# Altium PCB CarACESP32.PcbDoc
Units mm, origin at the board's own origin, x right, y up, seen from the top; angles counter-clockwise.
Board outline 100 x 70 mm, 2 copper layers (Top Layer, Bottom Layer); 65 components, 49 nets, 237 pads, 16 vias.
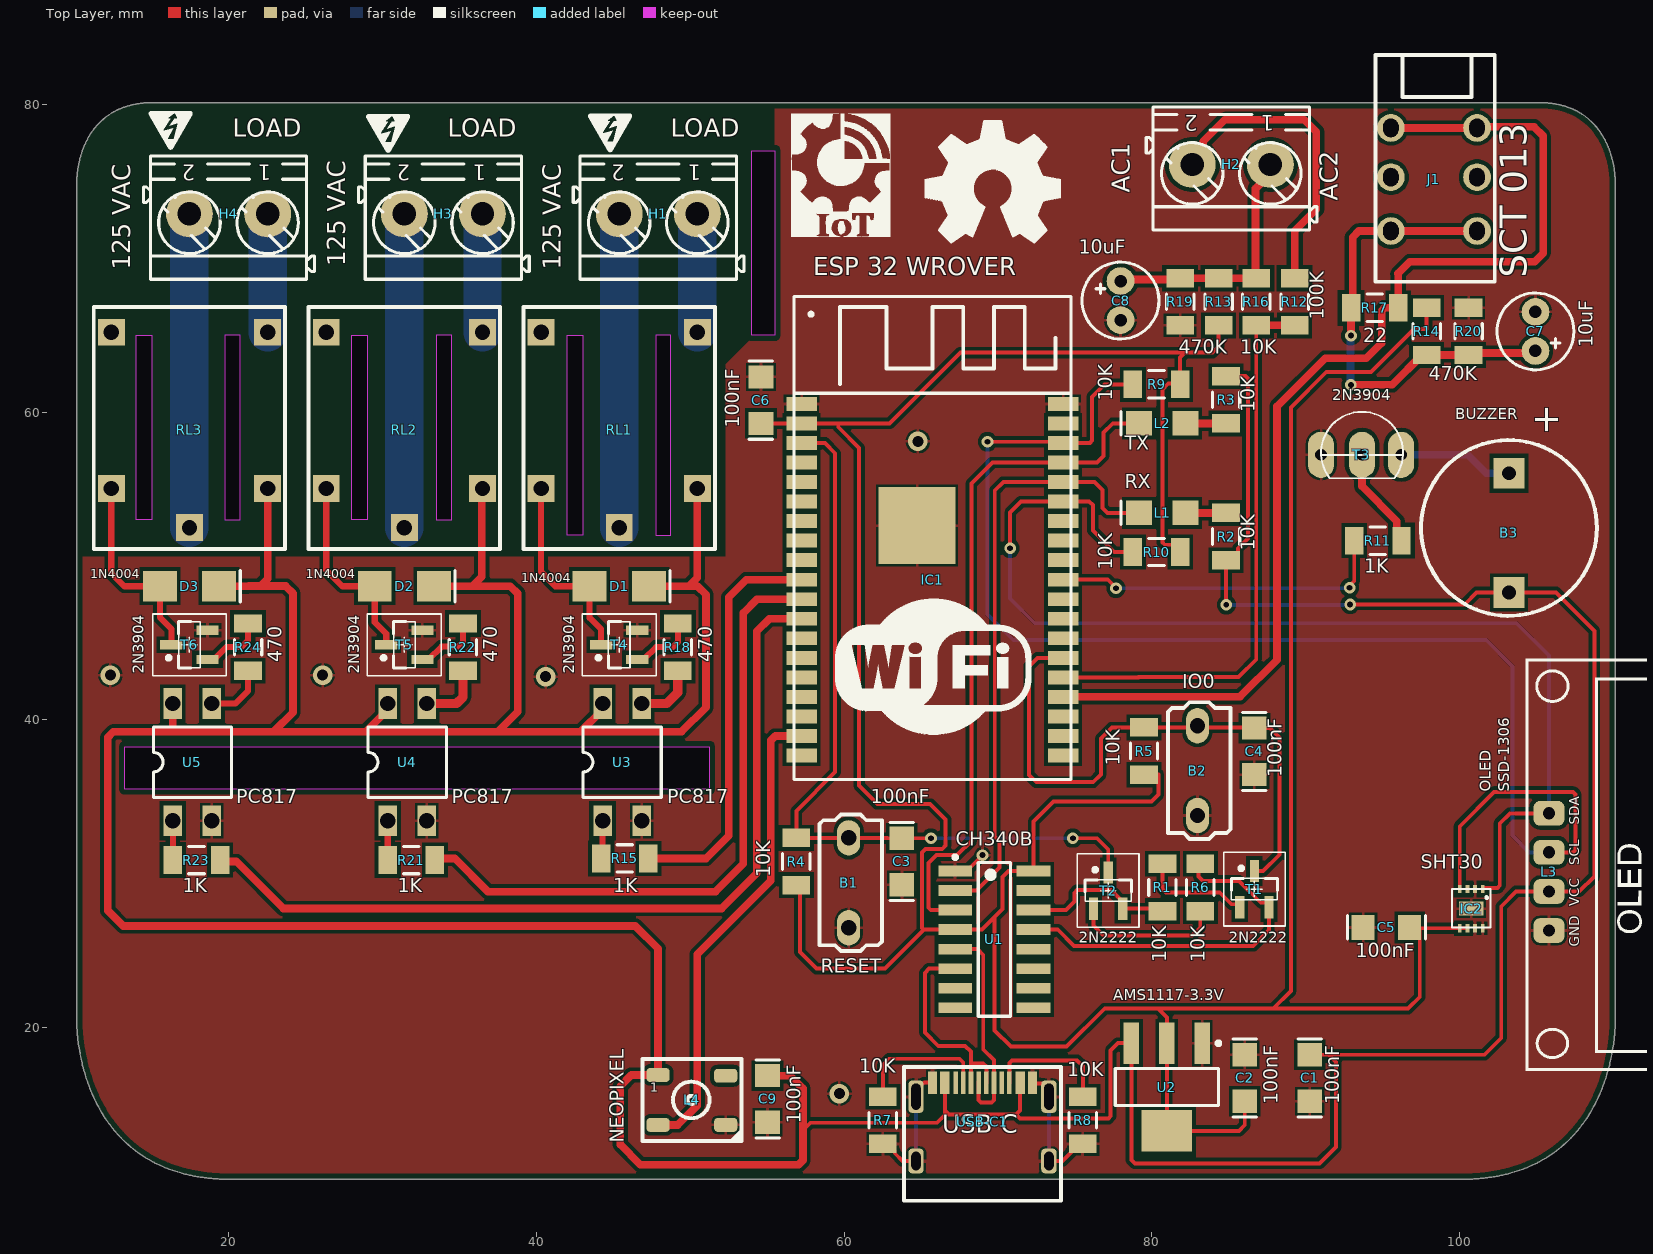
[diagram p0: Top Layer view]
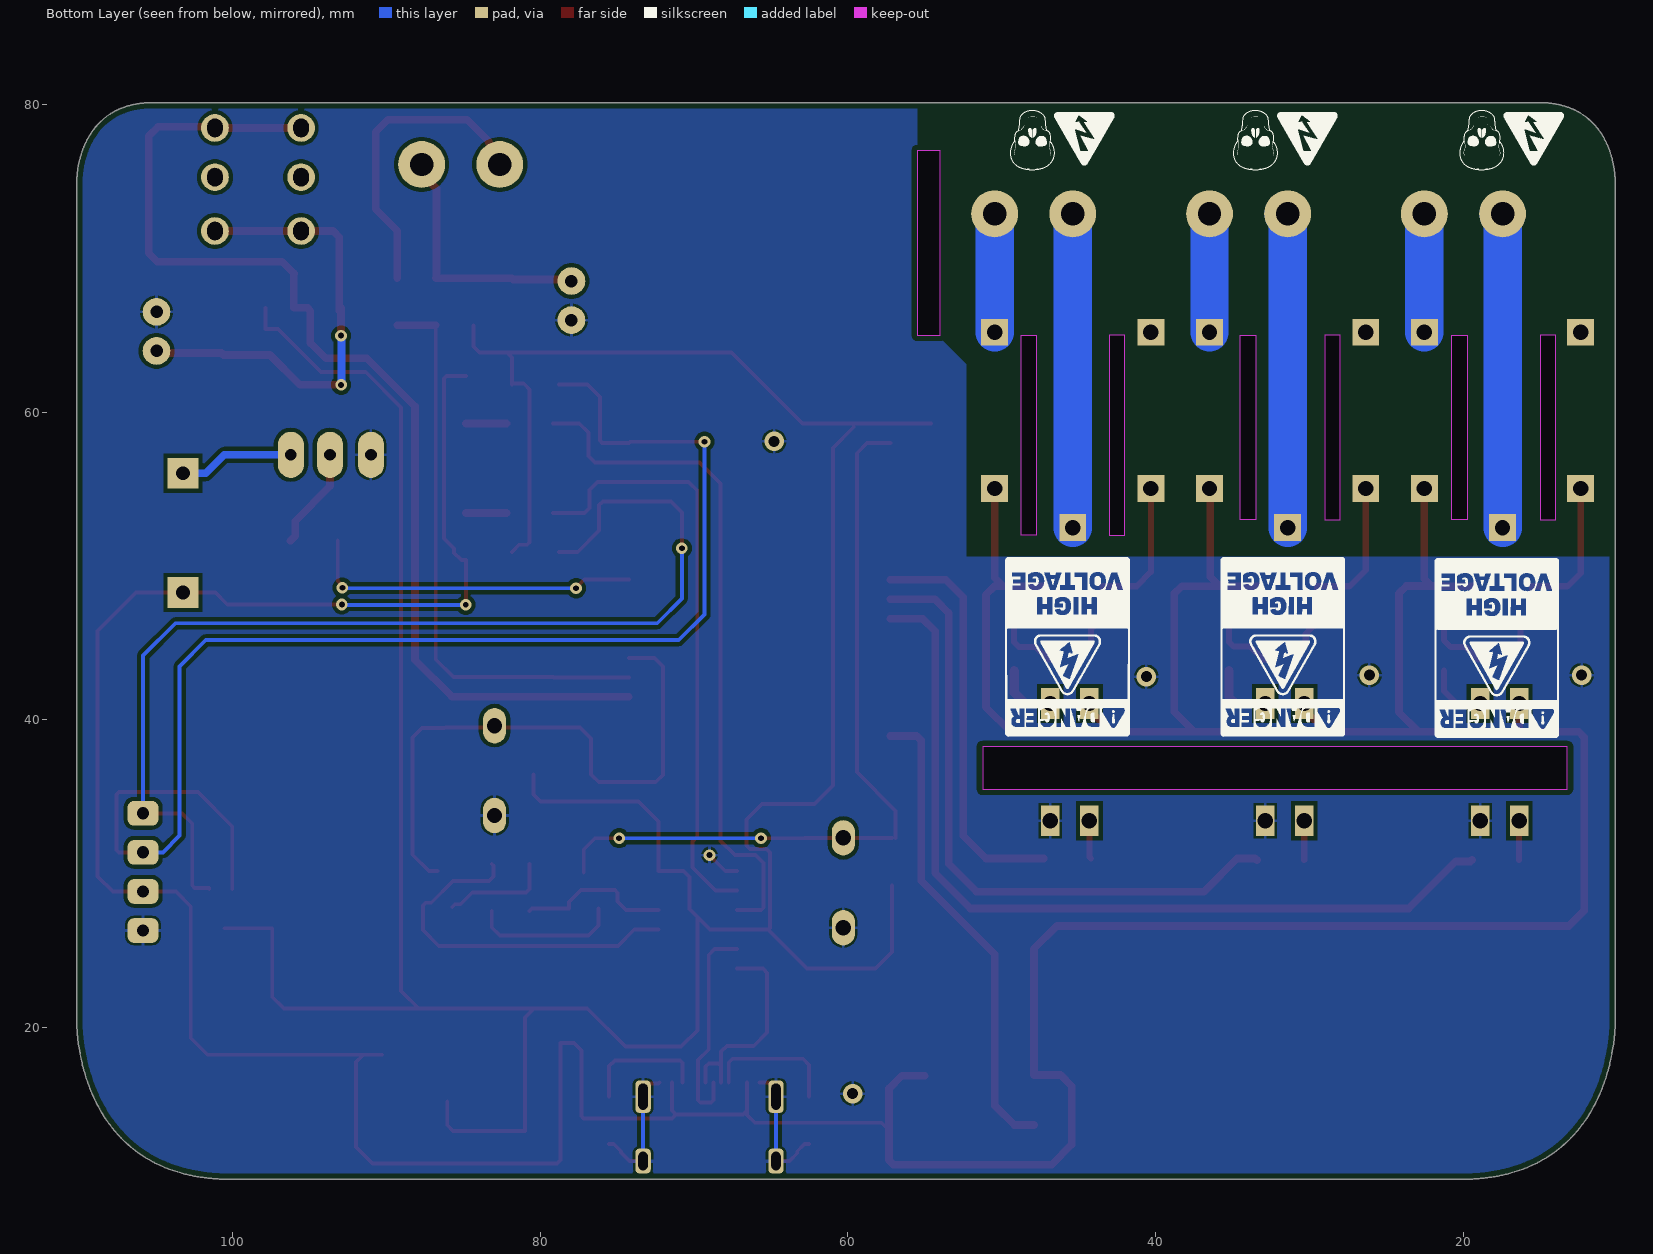
[diagram p1: Bottom Layer view, seen from below]
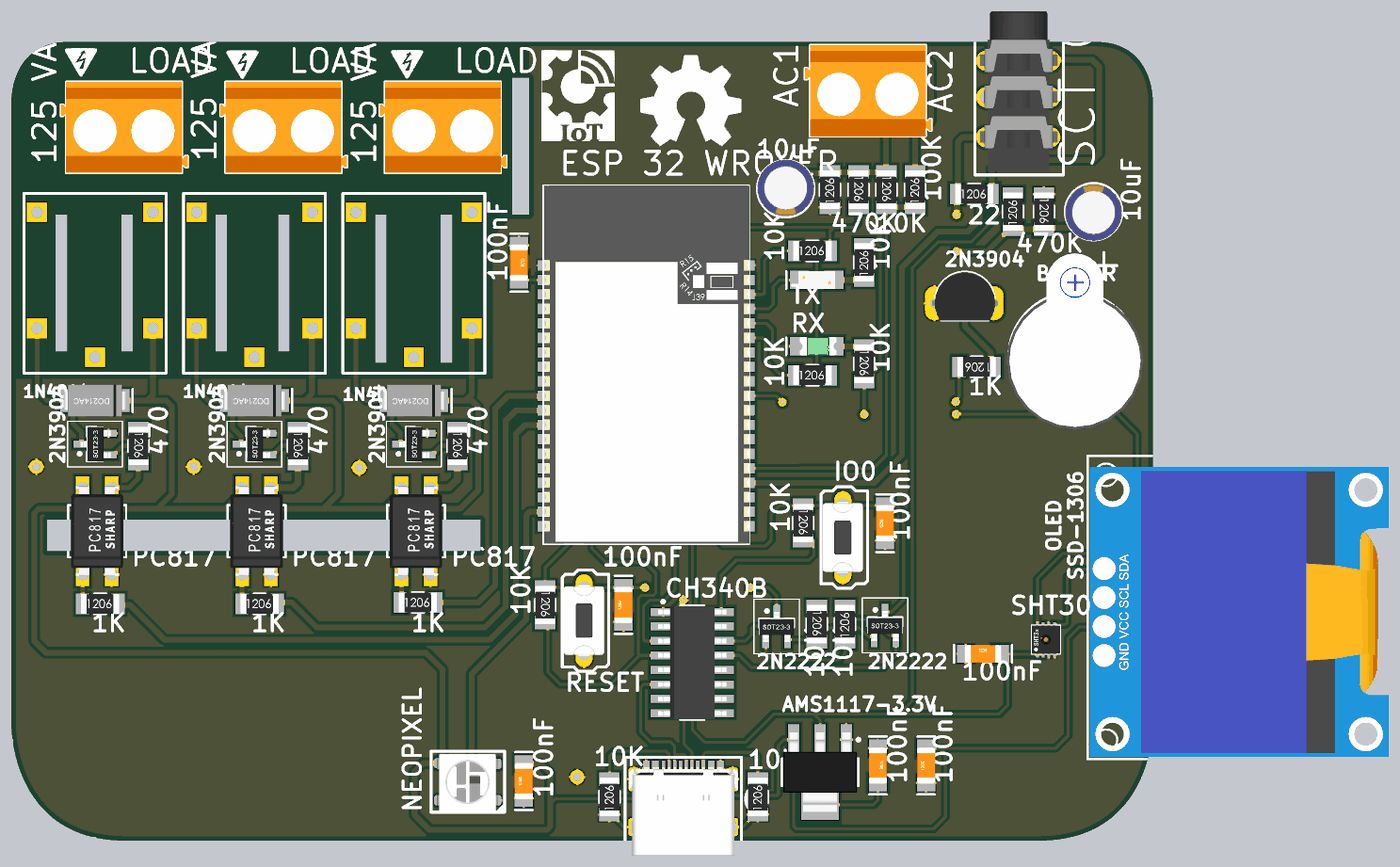
[diagram p2: 3D render of the assembled board from above, using the file's embedded part models]

## Layer stack, top to bottom
Top Solder: solder mask 0.0102, Solder Resist, Dk 3.5
Top Layer: signal copper 0.0356
Dielectric 1: dielectric 0.32, FR-4, Dk 4.8
Bottom Layer: signal copper 0.0356
Bottom Solder: solder mask 0.0102, Solder Resist, Dk 3.5

## Board outline
851 vertices, not listed, extent 10.127,10.127 110.127,80.127
cut-out: 54,65 54,77 55.5,77 55.5,65
cut-out: 51.25,35.5 13.25,35.5 13.25,38.25 51.25,38.25
cut-out: 15,53 14,53 14,65 15,65
cut-out: 19.75,53 20.75,53 20.75,65 19.75,65
cut-out: 33.5,53 34.5,53 34.5,65 33.5,65
cut-out: 29,53 28,53 28,65 29,65
cut-out: 47.75,52 48.75,52 48.75,65 47.75,65
cut-out: 43,52 42,52 42,65 43,65

## Design rules (kind name [scope] priority, off if disabled: settings)
BoardOutlineClearance [All] p1: gap=0.381 ignorepadtopadclearanceinfootprint=FALSE
Clearance Poligono [InPolygon] p1: gap=0.254 ignorepadtopadclearanceinfootprint=FALSE
Clearance [All] p2: gap=0.152 ignorepadtopadclearanceinfootprint=FALSE except(0: Arc-Hole Track-Hole SMDPad-Hole THPad-Hole Via-Hole Fill-Hole Poly-Hole Region-Hole Text-Hole)
ComponentClearance [All] p1: gap=0.025 collisioncheckmode=3 verticalgap=0.025 showdistances=FALSE
DiffPairsRouting [All] p1: maxlimit=10 minlimit=0.152 mostfreqgap=0.203 toplayer_minwidth=0.152 toplayer_maxwidth=0.381 toplayer_prefwidth=0.203 bottomlayer_minwidth=0.152 bottomlayer_maxwidth=0.381 bottomlayer_prefwidth=0.203 maxuncoupledlength=12.7
HoleSize [All] p1: absolutevalues=TRUE maxlimit=6.731 minlimit=0.33 maxpercent=80.000 minpercent=20.000
HoleToHoleClearance [All] p1: gap=0.254 allowstackedmicrovias=FALSE
MinimumAnnularRing [All] p1: minimumring=0.178
MinimumSolderMaskSliver [All] p1: minsoldermaskwidth=0
PlaneClearance [All] p1: clearance=0.254
PlaneConnect [All] p1: planeconnectstyle=Direct reliefexpansion=0.406 reliefentries=4 reliefconductorwidth=0.152 reliefairgap=0.152
PolygonConnect [All] p1: connectstyle=Relief reliefconductorwidth=0.203 reliefentries=4 polygonreliefangle="90 Angle" airgapwidth=0.152
RoutingCorners [All] p1: cornerstyle=45-Degree minsetback=1.25 maxsetback=1.25
RoutingVias [All] p1: holewidth=0.381 width=0.762 viastyle="Through Hole" minholewidth=0.33 minwidth=0.686 maxholewidth=2.54 maxwidth=2.896
SilkToSilkClearance [All] p1: silktosilkclearance=0
SilkToSolderMaskClearance [IsPad] p1: minsilkscreentomaskgap=0.152 clearancetoexposedcopper=TRUE
SolderMaskExpansion [All] p1: expansion=0.075 istentingtop=FALSE
Width [All] p1: maxlimit=10.16 minlimit=0.152 preferedwidth=0.203
20 further rules are at their usual default settings.

## Classes and differential pairs
component class CarACESP32: B1 B2 B3 C1 C2 C3 C4 C5 C6 IC1 IC2 L1 L2 L3 R1 R2 R3 R4 R5 R6 R7 R8 R9 R10 R11 T1 T2 T3 U1 U2 USB-C1
component class CarACESP32_2: C7 C8 C9 D1 D2 D3 H1 H2 H3 H4 J1 L4 R12 R13 R14 R15 R16 R17 R18 R19 R20 R21 R22 R23 R24 RL1 RL2 RL3 T4 T5 T6 U3 U4 U5

## Components (designator, comment, footprint, x,y, rotation, side; value= is the part's Value field where it differs from the comment)
B1 "Boton" "Push Boton 2P C" 60.3,26.483 r90 top
B2 "Boton" "Push Boton 2P C" 82.975,33.775 r90 top
B3 "Buzzer" Buzzer 103.225,48.405 r90 top
C1 "100nF" "Capacitor 1206" 90.277,15.062 r90 top
C2 "100nF" "Capacitor 1206" 86.052,18.364 r270 top
C3 "100nF" "Capacitor 1206" 63.75,29.137 r90 top
C4 "100nF" "Capacitor 1206" 86.675,36.291 r90 top
C5 "100nF" "Capacitor 1206" 93.611,26.5 r0 top
C6 "100nF" "Capacitor 1206" 54.6,62.431 r270 top
C7 "10uF" 100uF 104.95,63.978 r90 top
C8 "10uF" 100uF 77.975,68.525 r270 top
C9 "100nF" "Capacitor 1206" 55.027,13.698 r90 top
D1 "1N4004" "1N4007 SMD" 45.385,48.686 r180 top
D2 "1N4004" "1N4007 SMD" 31.415,48.686 r180 top
D3 "1N4004" "1N4007 SMD" 17.445,48.686 r180 top
H1 "T-Block" TBLOCK-2ORANGE 47.925,72.891 r180 top
H2 "T-Block" TBLOCK-2ORANGE 85.175,76.1 r180 top
H3 "T-Block" TBLOCK-2ORANGE 33.955,72.891 r180 top
H4 "T-Block" TBLOCK-2ORANGE 19.985,72.891 r180 top
IC1 "ESP32-WRover" ESP32-WROVER-B 65.747,51.828 r0 top
IC2 "SHT3X" DFN-8_DD 101.525,29 r180 top
J1 "PJ-3136" PJ-3136-X 95.55,78.475 r270 top
L1 "LED 1206" "LED 1206 G" 82.205,53.448 r180 top
L2 "LED 1206" "LED 1206 R" 82.078,59.268 r180 top
L3 "SSD 1306" OLEDSSD1306 105.825,28.84 r90 top
L4 "NEOPIXEL-WS2812B" WS2812B 47.807,13.661 r0 top
R1 "10K" "Resistencia 1206" 80.7,29.1 r270 top
R2 "10K" "Resistencia 1206" 84.836,51.913 r270 top
R3 "10K" "Resistencia 1206" 84.836,60.803 r90 top
R4 "10K" "Resistencia 1206" 56.9,30.786 r270 top
R5 "10K" "Resistencia 1206" 79.5,37.965 r270 top
R6 "10K" "Resistencia 1206" 83.158,29.1 r90 top
R7 "5.1K" "Resistencia 1206" 62.523,13.961 r90 top
R8 "5.1K" "Resistencia 1206" 75.527,13.961 r90 top
R9 "10K" "Resistencia 1206" 80.315,61.808 r0 top
R10 "10K" "Resistencia 1206" 80.315,50.908 r0 top
R11 "1K" "Resistencia 1206" 94.705,51.648 r180 top
R12 "100K" "Resistencia 1206" 89.3,67.175 r90 top
R13 "470K" "Resistencia 1206" 84.35,67.175 r270 top
R14 "470K" "Resistencia 1206" 97.875,65.25 r90 top
R15 "470" "Resistencia 1206" 45.745,30.988 r0 top
R16 "10K" "Resistencia 1206" 86.8,67.175 r270 top
R17 "22" "Resistencia 1206" 94.497,66.785 r0 top
R18 "470" "Resistencia 1206" 49.195,44.724 r270 top
R19 "470K" "Resistencia 1206" 81.85,67.175 r90 top
R20 "470K" "Resistencia 1206" 100.6,65.25 r270 top
R21 "470" "Resistencia 1206" 31.87,30.879 r0 top
R22 "470" "Resistencia 1206" 35.225,44.724 r270 top
R23 "470" "Resistencia 1206" 17.9,30.879 r0 top
R24 "470" "Resistencia 1206" 21.255,44.724 r270 top
RL1 "Relevador" "Relevador Mini 20A" 50.465,55.036 r90 top
RL2 "Relevador" "Relevador Mini 20A" 36.495,55.036 r90 top
RL3 "Relevador" "Relevador Mini 20A" 22.525,55.036 r90 top
T1 "MMTB2N2222" SOT23_M 86.675,28.995 r0 top
T2 "MMTB2N2222" SOT23_M 77.175,28.898 r0 top
T3 "2N3904" NewTO-92A 93.675,57.225 r270 top
T4 "2N3904" SOT23_M 45.385,44.876 r90 top
T5 "2N3904" SOT23_M 31.415,44.876 r90 top
T6 "2N3904" SOT23_M 17.445,44.876 r90 top
U1 "CH340B" "SOIC 16" 69.775,25.725 r0 top
U2 "AMS1117-3.3V" "SOT 223" 80.983,16.125 r270 top
U3 "PC817" PC817 44.305,33.437 r90 top
U4 "PC817" PC817 30.335,33.437 r90 top
U5 "PC817" PC817 16.365,33.437 r90 top
USB-C1 "USB TYPEC C 16PINS" USB-TYPE_C-16 68.996,16.43 r0 top

## Footprints (in the part's own frame and the unit in brackets; to place one, negate y for a bottom-side part, rotate by r counter-clockwise, add the part's x,y. Pads: shape width x height; smd on the part's side, far side on the other; paste and mask are expansions set on the pad)
"1N4007 SMD" [mm]
  rect 2.2x2 smd: 1(1.925,0) 2(-1.925,0)
  silkscreen extent -3.3,-1.02 -3.3,1.02, body extent -2.74,-1.4 2.74,1.4, height 2.34
100uF [mm]
  round 1.8 hole 0.813: 1(0,0) 2(2.54,0)
  silkscreen extent -1.23,-2.5 3.77,2.5, body extent -1.3,-2.5 3.7,2.5, height 11.5
Buzzer [mm] "Buzzer 5V"
  rect 2x2 hole 0.9: 1(7.62,0) 2(-0.127,0)
  silkscreen extent -1.65,-5.71 9.78,5.71, body extent -2.27,-6.1 13.19,5.9, height 10.65
"Capacitor 1206" [mm] "Capacitor Ceramico 1206"
  rect 1.5x1.6 smd: 1(0.139,0) 2(3.163,0)
  silkscreen extent -0.89,-0.76 4.19,0.76, body extent 0.05,-0.8 3.25,0.8, height 1
DFN-8_DD [mm]
  rect 0.25x0.55 smd: 1(0,0) 2(0.5,0) 3(1,0) 4(1.5,0) 5(1.5,2.55) 6(1,2.55) 7(0.5,2.55) 8(0,2.55)
  rect 1.6x0.9 smd: 9(0.75,1.275)
  silkscreen extent -0.5,0 2,2.5, body extent -0.5,0 2,2.52, height 0.9
ESP32-WROVER-B [mm]
  rect 2x0.9 smd: 1(-8.5,8.71) 2(-8.5,7.44) 3(-8.5,6.17) 4(-8.5,4.9) 5(-8.5,3.63) 6(-8.5,2.36) 7(-8.5,1.09) 8(-8.5,-0.18) 9(-8.5,-1.45) 10(-8.5,-2.72) 11(-8.5,-3.99) 12(-8.5,-5.26) 13(-8.5,-6.53) 14(-8.5,-7.8) 15(-8.5,-9.07) 16(-8.5,-10.34) 17(-8.5,-11.61) 18(-8.5,-12.88) 19(-8.5,-14.15) 20(8.5,-14.15) 21(8.5,-12.88) 22(8.5,-11.61) 23(8.5,-10.34) 24(8.5,-9.07) 25(8.5,-7.8) 26(8.5,-6.53) 27(8.5,-5.26) 28(8.5,-3.99) 29(8.5,-2.72) 30(8.5,-1.45) 31(8.5,-0.18) 32(8.5,1.09) 33(8.5,2.36) 34(8.5,3.63) 35(8.5,4.9) 36(8.5,6.17) 37(8.5,7.44) 38(8.5,8.71)
  rect 5x5 smd: 39(-1,0.79)
  silkscreen extent -9,-15.7 9,15.7, body extent -8.95,-15.69 9.05,15.71, height 3.3
"LED 1206 G" [mm] "Led SMD 1206"
  rect 1.7x1.6 smd: 1(0.012,0) 2(3.036,0)
  silkscreen extent 4.19,-0.76 4.19,0.76, body extent -0.2,-0.8 3,0.8, height 1.1
"LED 1206 R" [mm]
  rect 1.7x1.6 smd: 1(-0.115,0) 2(2.909,0)
  silkscreen extent 4.06,-0.76 4.06,0.76, body extent -0.2,-0.79 3,0.81, height 1.11
NewTO-92A [mm]
  oval 3x1.7 hole 0.762: 1(0,-2.664) 2(0,0) 3(0,2.54)
  silkscreen extent -2.79,-2.66 1.52,2.66, body extent -2.66,-2.89 1.53,2.85, height 13.33
OLEDSSD1306 [mm]
  rrect50% 1.6x2 hole 0.8: 1(-2.54,0) 2(0,0) 3(2.54,0) 4(5.08,0)
  silkscreen extent -11.66,-25.27 15.11,1.5, body extent -11.38,-24.98 14.02,1.22, height 6.3
PC817 [mm] "OPTOACOPLADOR"
  rect 2x1.2 hole 1: 1(0,0) 2(0,-2.54) 3(7.62,-2.54) 4(7.62,0)
  silkscreen extent 1.52,-3.81 6.1,1.27, body extent -0.13,-3.57 7.75,1.03, height 4.5
PJ-3136-X [mm] "PJ-3136-X"
  round 1.8 hole 1 slot 1.2 at 0 deg: 1(0,5.6) 1(0,0) 2(3.2,5.6) 2(3.2,0) 3(6.7,5.6) 3(6.7,0)
  silkscreen extent -4.75,-1 10,6.75, body extent -4.33,-0.59 9.67,6.22, height 7.51
"Push Boton 2P C" [mm] "Push Boton TH 6x4 2 pines cortos"
  oval 2.3x1.5 hole 1: 1(0,0) 2(5.842,0)
  silkscreen extent -1.52,-2.16 7.37,1.91, body extent -0.96,-1.75 6.8,1.75, height 5.3
"Relevador Mini 20A" [mm] "Relevador Mini 20A"
  rect 1.75x1.75 hole 1: 1(0,0) 2(0,10.16) 3(-2.54,5.08) 4(10.16,0) 5(10.16,10.16)
  silkscreen extent -3.94,-1.14 11.81,11.3, body extent -3.94,-1.27 11.68,11.43, height 15
"Resistencia 1206" [mm] "Resistencia 1206 SMD"
  rect 1.2x1.8 smd: 1(-1.535,0) 2(1.535,0)
  silkscreen extent -0.51,-0.89 0.51,0.89, body extent -1.67,-0.86 1.68,0.87, height 0.85
"SOIC 16" [mm] "SOIC 16P 1.27mm"
  rect 2.2x0.7 smd: 1(-2.55,4.445) 2(-2.55,3.175) 3(-2.55,1.905) 4(-2.55,0.635) 5(-2.55,-0.635) 6(-2.55,-1.905) 7(-2.55,-3.175) 8(-2.55,-4.445) 9(2.55,-4.445) 10(2.55,-3.175) 11(2.55,-1.905) 12(2.55,-0.635) 13(2.55,0.635) 14(2.55,1.905) 15(2.55,3.175) 16(2.55,4.445)
  silkscreen extent -2.67,-5 1.05,5.47, body extent -3,-4.95 3,4.95, height 1.4
SOT23_M [mm] "SOT23, 3-Leads, Body 2.9x1.3mm, Pitch 0.95mm, Lead Span 2.3mm - Reverse Pinning, IPC Low Density"
  rect 0.6x1.45 smd: 1(-0.95,-1.175) 2(0.95,-1.175) 3(0,1.175)
  silkscreen extent -2,-2.4 2,2.4, body extent -1.52,-1.37 1.52,1.27, height 0.94
"SOT 223" [mm] "SOT223, 4-Leads, Body 6.50x7.10mm (avg), Pitch 2.30mm, IPC Medium Density"
  rect 2.7x1 smd: 1(-2.85,2.3) 2(-2.85,0) 3(-2.85,-2.3)
  rect 2.7x3.3 smd: 2(2.85,0)
  silkscreen extent -2.97,-3.35 1.2,3.48, body extent -3.48,-3.25 3.48,3.25, height 1.65
TBLOCK-2ORANGE [mil] "Terminal Block, 24A 600V, Pitch 5.08mm, 2 Positions, Screw Connection"
  round 120 hole 60: 1(-100,0) 2(100,0)
  silkscreen extent -220,-148 218,167, body extent -220,-148 218,167, height 394
USB-TYPE_C-16 [mm]
  rect 0.6x1.45 smd: A1(-3.246,-0.019) A4(-2.446,-0.019) A9(2.454,-0.019) A12(3.254,-0.019) B1(3.254,-0.019) B4(2.454,-0.019) B9(-2.446,-0.019) B12(-3.246,-0.019)
  rect 0.3x1.45 smd: A5(-1.246,-0.019) A6(-0.246,-0.019) A7(0.254,-0.019) A8(1.254,-0.019) B5(1.754,-0.019) B6(0.754,-0.019) B7(-0.746,-0.019) B8(-1.746,-0.019)
  rrect50% 1x1.6 hole 0.6 slot 1.2 at 90 deg: S1(-4.316,-5.114) S1(4.324,-5.114)
  rrect50% 1x2.1 hole 0.6 slot 1.7 at 90 deg: S1(-4.316,-0.934) S1(4.324,-0.934)
  silkscreen extent -5.1,-7.7 5.1,1, body extent -4.78,-7.56 4.8,0.14, height 3.25
WS2812B [mm]
  rrect50% 1.5x0.9 smd: 1(0.1,3.25) 2(0.1,0) 3(4.5,0) 4(4.5,3.2)
  silkscreen extent -0.91,-1.04 5.54,4.29, body extent -0.39,-0.87 4.96,4.07, height 1.7

## Part data
B1 B2: library part "Push Boton 2 Pin TH", "Micro Push TH"
B3: "Active Sound"
C1 C2 C3 C4 C5 C6 C9: library part "Capacitor 1206", "Capacitor cerámico 1206 SMD"
C7 C8: library part CAP-ELEC-100uF
D1 D2 D3: library part "1N4007 SMD", "Diodo Rectificador"
H1 H2 H3 H4: library part "T-Block 5.08mm 2P", "Terminal de Bloque 2P 5.08mm"
IC1: "ESP32-WRover 39Pins"
J1: library part "JACK HEMBRA 3.5MM", "PJ-3136 Jack De Audio Hembra"
L1 L2: "LED SMD 1206"
L3: "Pantalla OLED 124x64"
L4: "LED NEOPIXEL WS2812B"
R1 R2 R3 R4 R5 R6 R7 R8 R9 R10 R11 R12 R13 R14 R15 R16 R17 R18 R19 R20 R21 R22 R23 R24: library part "Resistencia SMD 1206", "Resistencia SMD 1206"
RL1 RL2 RL3: library part "Relevador S 5V 20A", "Relevador Mini"
T1 T2: library part MMBT2N2222A
T4 T5 T6: library part MMBT2N3904
U1: "USB-Serial Converter"
U2: library part AMS1117, "Regulador Lineal de Voltaje"
U3 U4 U5: "Optoacoplador NPN"
USB-C1: "USB Type C 16 Pins"

## Via types
v1: diameter 0.762, hole 0.381, Top Layer to Bottom Layer, 11 vias
v2: diameter 1.27, hole 0.711, Top Layer to Bottom Layer, 5 vias

## Nets (pads, with @x,y where several pads share a name; then routed paths per layer and width w, separated by ;. In a path a pad name is that pad's centre, name@x,y a point inside that pad or via, vN(x,y) a via of type N, cw(c..) or ccw(c..) an arc to the next point about the centre after c; other vN are vias at no path point)
+3.3V: C2.2 C5.2 C6.2 IC1.2 IC2.5 IC2.6 R4.2 R5.2 R9.2 R10.2 R13.2 R14.2 U1.4 U1.16 U2.2 | length 235.6
  Top Layer w0.254: C6.2 IC1.2 59.625,59.268 ; R4.2@57.125,29.233 57.125,24.9 58.2,23.825 62.65,23.825 65.185,26.36 ; 80.43,36.43 80.43,35.13 80,34.7 73.625,34.7 72.325,33.4 U1.16 70.695,30.17 70.3,29.775 70.3,27.7 69.788,27.187 ; R10.2 81.381,51.376 80.849,51.376 80.7,51.525 80.7,61.475 81.075,61.85 81.808,61.85 R9.2 81.85,63.55 82.175,63.875 ; R13.2 84.35,64.275 83.95,63.875 82.175,63.875 ; C2.2 86.052,13.649 85.678,13.275 80.983,13.275 80.983,20.658 80.416,21.225 ; R14.2 97.875,65.4 97.05,65.4 94.25,62.6 91.35,62.6 89.05,60.3 89.05,22.375 87.9,21.225 ; IC2.6 IC2.5 97.425,26.45 97.425,21.975 96.675,21.225 87.9,21.225 ; 59.625,59.268 62.968,59.268 67.575,63.875 82.175,63.875 ; 59.625,59.268 59.625,59.025 60.975,57.675 60.975,35.725 62.175,34.525 65.6,34.525 66.6,33.525 66.6,31.825 66.381,31.606 65.306,31.606 65.072,31.373 65.072,26.472 65.185,26.36 ; 65.185,26.36 U1.4 68.96,26.36 69.788,27.187 ; 69.788,27.187 69.788,19.813 70.85,18.75 74.475,18.75 76.95,21.225 80.416,21.225 ; 80.416,21.225 87.9,21.225
+5: B3.2 C1.2 C9.2 D1.2 D2.2 D3.2 L3.2 L4.1 R2.2 R3.2 RL1.1 RL2.1 RL3.1 U2.3 U3.4 U4.4 U5.4 USB-C1.A4 USB-C1.A9 USB-C1.B4 USB-C1.B9 | length 334.8
  Top Layer w0.254: 57.331,13.325 57.812,13.806 66.056,13.806 66.55,14.3 66.55,14.597 ; USB-C1.B9 66.55,14.597 ; USB-C1.B4 71.45,14.597 71.184,14.332 ; R3.2 86.088,62.338 86.25,62.175 86.25,51.791 85.602,51.143 85.602,50.851 85.129,50.378 R2.2 84.836,47.489 v1(84.85,47.475) ; C1.2 91.5,18.225 ; v1(92.9,47.5) 100.35,47.5 101.128,48.278 B3.2 106.272,48.278 108.775,45.775 108.775,29.825 107.79,28.84 L3.2 103.69,28.84 102.725,27.875 102.725,19.325 101.625,18.225 91.5,18.225 ; 66.55,14.597 66.816,14.332 71.184,14.332 ; 71.184,14.332 71.438,14.078 77.182,14.078 77.331,14.226 77.331,18.497 77.809,18.975 U2.3 78.683,11.38 78.906,11.157 90.907,11.157 91.975,12.225 91.975,17.75 91.5,18.225
  Top Layer w0.5: U5.4 16.365,39.515 16.662,39.218 ; D3.2 21.305,48.686 21.311,48.692 22.047,48.692 ; RL3.1 22.525,49.17 22.047,48.692 ; U4.4 30.335,40.657 28.931,39.252 28.931,39.218 ; D2.2 35.834,48.686 ; RL2.1 36.449,54.99 36.449,49.301 35.834,48.686 ; U3.4 44.305,40.657 42.866,39.218 ; D1.2 49.905,48.686 ; RL1.1 50.465,49.246 49.905,48.686 ; C9.2 56.496,16.861 57.331,16.026 57.331,13.696 ; 57.331,13.627 57.331,13.325 57.331,11.366 57.038,11.073 46.764,11.073 45.444,12.394 45.444,16.171 46.184,16.911 L4.1 47.907,25.093 47.92,25.105 46.431,26.594 13.132,26.594 12.125,27.601 12.125,38.846 12.497,39.218 16.662,39.218 ; 16.662,39.218 22.911,39.218 ; 22.047,48.692 23.698,48.692 24.181,48.209 24.181,40.488 22.911,39.218 ; 22.911,39.218 28.931,39.218 ; 28.931,39.218 37.49,39.218 ; 35.834,48.686 38.309,48.686 38.786,48.209 38.786,40.513 37.49,39.218 ; 37.49,39.218 42.866,39.218 ; 42.866,39.218 49.428,39.218 51.029,40.818 51.029,48.133 50.476,48.686 49.905,48.686
  Bottom Layer w0.254: v1(84.85,47.475) 92.875,47.475 v1(92.9,47.5)
BUZZER: IC1.29 R11.2 | length 22.1
  Top Layer w0.254: IC1.29 77.142,49.108 77.675,48.575 v1(77.675,48.55) ; v1(92.869,48.587) 92.869,48.725 93.17,49.026 R11.2
  Bottom Layer w0.254: v1(77.675,48.55) 92.832,48.55 v1(92.869,48.587)
CC1: R7.2 USB-C1.A5 | length 8.9
  Top Layer w0.254: R7.2 62.523,17.557 62.929,17.964 67.501,17.964 67.75,17.715 USB-C1.A5
CC2: R8.2 USB-C1.B5 | length 8.3
  Top Layer w0.254: USB-C1.B5 70.75,17.682 70.93,17.862 75.147,17.862 75.527,17.482 R8.2
D+: U1.5 USB-C1.A6 USB-C1.B6 | length 14
  Top Layer w0.254: U1.5 68.665,25.09 69.05,24.705 69.05,18.575 69.75,17.875 USB-C1.B6 69.75,15.274 69.601,15.125 68.899,15.125 68.75,15.274 USB-C1.A6
D-: U1.6 USB-C1.A7 USB-C1.B7 | length 13.7
  Top Layer w0.254: U1.6 65.52,23.82 65.25,23.55 65.25,19.675 66.125,18.8 67.875,18.8 68.25,18.425 68.25,17.493 ; USB-C1.B7 68.25,17.493 ; USB-C1.A7 69.25,17.46 69.051,17.659 68.416,17.659 68.25,17.493
DTR: R6.2 T1.2 U1.13 | length 24
  Top Layer w0.254: U1.13 73.89,26.36 74.95,25.3 86.6,25.3 87.625,26.325 87.625,27.934 87.452,28.107 87.093,28.107 85.675,29.525 83.325,29.525 83.05,29.8 83.05,30.527 R6.2
EN: B1.2 C3.2 IC1.3 R4.1 T2.3 | length 50.4
  Top Layer w0.254: R4.1 56.9,34.074 59.425,36.599 59.425,57.325 58.752,57.998 IC1.3 ; R4.1@57.125,32.303 60.025,32.303 62.794,32.303 62.797,32.3 63.55,32.3 v1(65.65,32.3) ; v1(74.875,32.3) 76.45,32.3 77.175,31.575 T2.3
  Bottom Layer w0.254: v1(65.65,32.3) v1(74.875,32.3)
GND: B1.1 B2.1 C1.1 C2.1 C3.1 C4.1 C5.1 C6.1 C7.2 C8.2 C9.1 IC1.1 IC1.38 IC1.39 IC2.2 IC2.7 IC2.8 IC2.9 L3.1 L4.3 R7.1 R8.1 R19.1 R20.1 T3.1 T4.2 T5.2 T6.2 U1.1 U2.1 U3.2 U4.2 U5.2 USB-C1.A1 USB-C1.A12 USB-C1.B1 USB-C1.B12 USB-C1.S1 | length 19.4
  Top Layer w0.254: R7.1 62.823,12.426 63.296,11.953 63.296,11.819 63.799,11.316 USB-C1.S1@64.68,11.316 ; USB-C1.S1@64.68,15.496 64.68,15.98 65.044,16.343 65.144,16.343 65.215,16.414 65.747,16.414 USB-C1.B12 ; U1.1 67.975,30.17 69,31.195 v1(69,31.2) ; USB-C1.A12 72.298,16.364 72.708,16.364 72.729,16.343 72.956,16.343 73.32,15.98 USB-C1.S1@73.32,15.496 ; USB-C1.S1@73.32,11.316 74.201,11.316 74.754,11.869 74.754,11.953 75.227,12.426 R8.1
  Bottom Layer w0.254: USB-C1.S1@64.68,11.316 USB-C1.S1@64.68,15.496 ; USB-C1.S1@73.32,11.316 USB-C1.S1@73.32,15.496
  other v2: 59.7,15.7 40.6,42.8 12.3,42.9 26.1,42.9 64.8,58.1
IO0: B2.2 C4.2 IC1.25 R5.1 T1.3 | length 38.8
  Top Layer w0.254: IC1.25 72.578,44.028 72.025,43.475 72.025,36.418 72.493,35.95 76.2,35.95 76.7,36.45 76.7,38.775 77.425,39.5 R5.1 80.43,39.5 83,39.5 86.179,39.5 86.225,39.454 87.704,39.454 88.3,38.858 88.3,31.225 87.245,30.17 T1.3
NetB3_1: B3.1 T3.3 | length 7.5
  Bottom Layer w0.5: T3.3 100.55,57.225 101.75,56.025 B3.1
NetC7_1: C7.1 J1.3 R14.1 R17.1 R20.2 | length 31
  Top Layer w0.5: v1(92.945,61.774) 95.249,61.774 ; v1(92.95,64.975) 92.962,64.987 R17.1 ; R17.1@93.07,66.582 93.07,71.375 93.47,71.775 95.55,71.775 J1.3@101.15,71.775 ; 95.25,61.775 95.635,61.775 97.575,63.715 R14.1 R20.2 100.731,63.846 104.819,63.846 C7.1
  Bottom Layer w0.5: v1(92.945,61.774) 92.925,61.795 92.925,64.95 v1(92.95,64.975)
NetC8_1: C8.1 H2.1 R13.1 R16.1 R19.2 | length 16.8
  Top Layer w0.5: C8.1 78.067,68.617 81.757,68.617 R19.2 R16.1@86.75,68.71 ; H2.1 87.715,75.498 86.75,74.533 R16.1@86.75,68.76 ; R16.1@86.75,68.71 R16.1@86.75,68.76 ; R16.1@86.75,68.71 R16.1 R16.1@86.75,68.76
NetD1_1: D1.1 RL1.2 T4.3 | length 13.1
  Top Layer w0.4: RL1.2 40.305,49.611 41.23,48.686 D1.1 43.46,46.633 44.21,45.883 T4.3
NetD2_1: D2.1 RL2.2 T5.3 | length 13
  Top Layer w0.4: RL2.2 26.34,55.032 26.34,49.733 27.387,48.686 D2.1 29.49,46.343 30.24,45.593 T5.3
NetD3_1: D3.1 RL3.2 T6.3 | length 13.1
  Top Layer w0.4: RL3.2 12.365,49.534 13.214,48.686 D3.1 15.52,46.659 16.27,45.909 T6.3
NetH1_1: H1.1 RL1.4 | length 7.7
  Bottom Layer w2.5: RL1.4 H1.1
NetH1_2: H1.2 RL1.3 | length 20.4
  Bottom Layer w2.5: RL1.3 H1.2
NetH2_2: H2.2 R12.2 | length 20.1
  Top Layer w0.5: H2.2 82.635,76.789 83.35,77.505 83.35,77.6 84.75,79 89.925,79 90.7,78.225 90.7,73.2 89.3,71.8 R12.2
NetH3_1: H3.1 RL2.4 | length 7.7
  Bottom Layer w2.5: RL2.4 H3.1
NetH3_2: H3.2 RL2.3 | length 20.4
  Bottom Layer w2.5: RL2.3 H3.2
NetH4_1: H4.1 RL3.4 | length 7.7
  Bottom Layer w2.5: RL3.4 H4.1
NetH4_2: H4.2 RL3.3 | length 20.4
  Bottom Layer w2.5: RL3.3 H4.2
NetIC1_10: IC1.10 R15.2 | length 26.6
  Top Layer w0.5: R15.2 51.029,30.988 52.502,32.461 52.502,47.974 53.635,49.108 IC1.10
NetIC1_11: IC1.11 R21.2 | length 42.2
  Top Layer w0.5: R21.2 33.514,30.988 34.696,30.988 36.855,28.829 51.638,28.829 53.442,30.632 53.442,46.939 54.34,47.838 IC1.11
NetIC1_12: IC1.12 R23.2 | length 56.1
  Top Layer w0.5: R23.2 19.525,30.79 20.493,30.79 23.546,27.737 52.045,27.737 54.331,30.023 54.331,45.745 55.153,46.568 IC1.12
NetIC1_18: IC1.18 L4.2 | length 30.9
  Top Layer w0.5: L4.2 49.186,13.661 50.45,14.925 50.45,24.745 55.245,29.54 55.245,38.655 55.538,38.948 IC1.18
NetIC1_23: IC1.23 J1.1 R17.2 | length 73.2
  Top Layer w0.5: IC1.23 85.738,41.488 88.15,43.9 88.15,60.375 91.275,63.5 93.95,63.5 94.95,64.5 94.95,66.6 95.135,66.785 R17.2 96.032,69.032 96.775,69.775 104.9,69.775 105.45,70.325 105.45,77.95 104.85,78.55 101.225,78.55 101.15,78.475 J1.1@95.55,78.475 ; 96.001,69.001 96.009,69.009
NetIC1_24: IC1.24 R12.1 R16.2 | length 37.3
  Top Layer w0.254: IC1.24 79.133,42.758 79.15,42.775 85.65,42.775 86.8,43.925 R16.2
  Top Layer w0.5: R16.2 R12.1
NetL1_1: L1.1 R2.1 | length 2.6
  Top Layer w0.5: L1.1 R2.1
NetL2_1: L2.1 R3.1 | length 2.6
  Top Layer w0.5: L2.1 R3.1
NetR1_1: R1.1 T1.1 | length 7.2
  Top Layer w0.254: R1.1 80.7,29 80.925,28.775 84.425,28.775 85.193,28.007 85.552,28.007 85.725,27.834 T1.1
NetR6_1: R6.1 T2.1 | length 9.6
  Top Layer w0.254: T2.1 76.225,26.625 76.875,25.975 82.625,25.975 83.158,26.508 R6.1
NetR11_1: R11.1 T3.2 | length 6.6
  Top Layer w0.5: T3.2 93.675,55.175 95.941,52.909 95.941,51.947 R11.1
NetR15_1: R15.1 U3.1 | length 2.5
  Top Layer w0.4: R15.1 44.305,31.083 U3.1
NetR18_1: R18.1 T4.1 | length 4.3
  Top Layer w0.4: T4.1 46.985,43.926 47.789,44.729 48.87,44.729 49.195,45.055 R18.1
NetR18_2: R18.2 U3.3 | length 4.1
  Top Layer w0.6: U3.3 48.473,41.057 49.195,41.779 R18.2
NetR21_1: R21.1 U4.1 | length 2.6
  Top Layer w0.4: R21.1 U4.1
NetR22_1: R22.1 T5.1 | length 4.3
  Top Layer w0.4: T5.1 33.015,43.926 33.844,44.755 34.925,44.755 35.225,45.055 R22.1
NetR22_2: R22.2 U4.3 | length 4.2
  Top Layer w0.6: U4.3 34.808,41.057 35.225,41.474 R22.2
NetR23_1: R23.1 U5.1 | length 2.6
  Top Layer w0.4: R23.1 U5.1
NetR24_1: R24.1 T6.1 | length 4.2
  Top Layer w0.4: T6.1 19.045,43.926 19.849,44.729 20.828,44.729 21.255,45.157 R24.1
NetR24_2: R24.2 U5.3 | length 4
  Top Layer w0.4: U5.3 20.437,41.057 21.255,41.875 R24.2
RTS: R1.2 T2.2 U1.14 | length 10.1
  Top Layer w0.254: U1.14 74.43,27.63 74.975,28.175 74.975,28.75 75.15,28.925 77.348,28.925 78.125,28.148 T2.2 80.542,27.723 R1.2
RX: IC1.35 L2.2 U1.3 | length 44.7
  Top Layer w0.254: U1.3 65.649,27.63 65.5,27.779 65.5,30.682 66.018,31.2 67.351,31.2 68.275,32.124 68.275,55.35 69.653,56.728 IC1.35 76.447,56.728 76.875,57.155 76.875,58.675 77.468,59.268 L2.2
SCL1: IC1.36 IC2.4 L3.3 R9.1 | length 91.3
  Top Layer w0.254: v1(69.325,58.075) 74.17,58.075 IC1.36 75.976,57.998 76.125,58.146 76.125,60.99 76.942,61.808 R9.1 ; IC2.4 100.025,33.075 102.25,35.3 107.401,35.3 107.55,35.151 107.55,31.529 107.401,31.38 L3.3
  Bottom Layer w0.254: v1(69.325,58.075) 69.325,46.85 71,45.175 101.75,45.175 103.45,43.475 103.45,32.472 104.542,31.38 L3.3
SDA1: IC1.33 IC2.1 L3.4 R10.1 | length 71.8
  Top Layer w0.254: v1(70.8,51.15) 70.8,53.475 71.513,54.188 IC1.33 75.938,54.188 76.175,53.95 76.175,52.3 77.567,50.908 R10.1 ; IC2.1 101.525,29.073 101.527,29.075 102.476,29.075 102.625,29.224 102.625,33.25 103.295,33.92 L3.4
  Bottom Layer w0.254: v1(70.8,51.15) 70.8,47.875 72.4,46.275 103.725,46.275 105.825,44.175 L3.4
TX: IC1.34 L1.2 U1.2 | length 39.2
  Top Layer w0.254: U1.2 68.6,28.9 70.1,30.4 70.1,32.1 69.8,32.4 69.8,54.9 70.358,55.458 IC1.34 76.292,55.458 76.8,54.95 76.8,53.775 77.127,53.448 L1.2
pads on no net: IC1.4 IC1.5 IC1.6 IC1.7 IC1.8 IC1.9 IC1.13 IC1.14 IC1.15 IC1.16 IC1.17 IC1.19 IC1.20 IC1.21 IC1.22 IC1.26 IC1.27 IC1.28 IC1.30 IC1.31 IC1.32 IC1.37 IC2.3 J1.2 L4.4 RL1.5 RL2.5 RL3.5 U1.7 U1.8 U1.9 U1.10 U1.11 U1.12 U1.15 USB-C1.A8 USB-C1.B8

## Polygon pours and split planes (outlines as drawn)
GND on Bottom Layer (solid, pour order 2): 56.1,80.3 110,80.3 110,9.5 110.2,9.3 110,9.1 8.6,9.1 8.6,50.3 8.9,50.6 52.3,50.6 52.3,63.1 53.9,64.7 55.5,64.7 55.5,80 55.6,80.1 55.9,80.1 56,80.2
GND on Top Layer (solid, pour order 1): 56.1,80.3 110,80.3 110,9.5 110.2,9.3 110,9.1 8.6,9.1 8.6,50.3 8.9,50.6 52.3,50.6 52.3,63.1 53.9,64.7 55.5,64.7 55.5,80 55.6,80.1 55.9,80.1 56,80.2

## Silkscreen, mask and mechanical layers (free items; w line width, h text height)
Top Overlay:
  drawing of 6 lines, arcs and shapes, not listed
  text "LOAD" at 20.25,77.523 h2
  text "LOAD" at 34.25,77.523 h2
  text "LOAD" at 48.75,77.523 h2
  text "AC1" at 78.979,74.25 h2 r90
  text "AC2" at 92.479,73.75 h2 r90
  text "10uF" at 75.25,70.018 h1.52
  text "125 VAC" at 27.977,69.5 h2 r90
  text "125 VAC" at 13.977,69.25 h2 r90
  text "125 VAC" at 41.977,69.25 h2 r90
  text "SCT 013" at 104.965,68.75 h3 r90
  text "ESP 32 WROVER" at 58,68.523 h2
  text "100K" at 91.482,66 h1.52 r90
  text "22" at 93.75,64.25 h1.52
  text "10uF" at 108.974,64.228 h1.52 r90
  text "470K" at 81.75,63.518 h1.52
  text "10K" at 85.75,63.518 h1.52
  text "470K" at 98,61.768 h1.52
  text "10K" at 77.732,60.75 h1.52 r90
  text "2N3904" at 91.75,60.514 h1.2
  text "10K" at 86.982,60 h1.52 r90
  text "BUZZER" at 99.75,59.264 h1.2
  text "100nF" at 53.482,59 h1.52 r90
  text "TX" at 78.25,57.25 h1.52
  text "RX" at 78.25,54.75 h1.52
  text "10K" at 86.982,51 h1.52 r90
  text "10K" at 77.732,49.75 h1.52 r90
  text "1K" at 93.829,49.274 h1.52
  text "1N4004" at 11,49.012 h1
  text "1N4004" at 25,49.012 h1
  text "1N4004" at 39,48.762 h1
  text "470" at 23.732,43.75 h1.52 r90
  text "470" at 37.732,43.75 h1.52 r90
  text "470" at 51.732,43.75 h1.52 r90
  text "2N3904" at 14.736,43 h1.2 r90
  text "2N3904" at 28.736,43 h1.2 r90
  text "2N3904" at 42.736,43 h1.2 r90
  text "IO0" at 82,41.768 h1.52
  text "10K" at 78.232,37 h1.52 r90
  text "100nF" at 88.732,36.25 h1.52 r90
  text "OLED / SSD-1306" at 103.5,35.311 h1.2 r90
  text "PC817" at 20.5,34.268 h1.52
  text "PC817" at 34.5,34.268 h1.52
  text "PC817" at 48.5,34.268 h1.52
  text "100nF" at 61.75,34.268 h1.52
  text "CH340B" at 67.25,31.518 h1.52
  text "SHT30" at 97.5,30.018 h1.52
  text "10K" at 55.482,29.75 h1.52 r90
  text "1K" at 17,28.5 h1.52
  text "1K" at 31,28.5 h1.52
  text "1K" at 45,28.5 h1.52
  text "2N2222" at 75.25,25.25 h1.2
  text "2N2222" at 85,25.25 h1.2
  text "10K" at 81.232,24.25 h1.52 r90
  text "10K" at 83.732,24.25 h1.52 r90
  text "100nF" at 93.25,24.268 h1.52
  text "RESET" at 58.5,23.268 h1.52
  text "AMS1117-3.3V" at 77.5,21.514 h1.2
  text "10K" at 61,16.768 h1.52
  text "10K" at 74.5,16.518 h1.52
  text "100nF" at 88.482,15 h1.52 r90
  text "100nF" at 92.482,15 h1.52 r90
  text "100nF" at 57.482,13.75 h1.52 r90
  text "NEOPIXEL" at 45.982,12.5 h1.52 r90
Bottom Overlay:
  drawing of 48 lines, arcs and shapes, not listed
Mechanical 1:
  drawing of 1031 lines, arcs and shapes, not listed

## Text inside footprints (layer, text, board x,y; h text height)
B3: Top Overlay "+" at 107,58.5 h3 r90
H1: Top Overlay "1" at 50.717,76.091 h1 r180; Top Overlay "2" at 45.756,76.091 h1 r180; Mechanical 14 "2" at 45.756,76.091 h1 r180; Mechanical 14 "1" at 50.717,76.091 h1 r180
H2: Top Overlay "1" at 87.967,79.3 h1 r180; Top Overlay "2" at 83.006,79.3 h1 r180; Mechanical 14 "2" at 83.006,79.3 h1 r180; Mechanical 14 "1" at 87.967,79.3 h1 r180
H3: Top Overlay "1" at 36.747,76.091 h1 r180; Top Overlay "2" at 31.786,76.091 h1 r180; Mechanical 14 "2" at 31.786,76.091 h1 r180; Mechanical 14 "1" at 36.747,76.091 h1 r180
H4: Top Overlay "2" at 17.816,76.091 h1 r180; Top Overlay "1" at 22.777,76.091 h1 r180; Mechanical 14 "1" at 22.777,76.091 h1 r180; Mechanical 14 "2" at 17.816,76.091 h1 r180
L3: Top Overlay "GND" at 108.022,25.259 h1.1 r90; Top Overlay "SCL" at 108.022,30.542 h1.1 r90; Top Overlay "VCC" at 108.023,27.875 h1.1 r90; Top Overlay "SDA" at 108.022,33.183 h1.1 r90
L4: Top Overlay "1" at 47.393,15.609 h1
USB-C1: Top Overlay "USB C" at 66.396,12.754 h2